# Altium PCB FluidGuard(TX).PcbDoc (part 1 of 2) (continued)
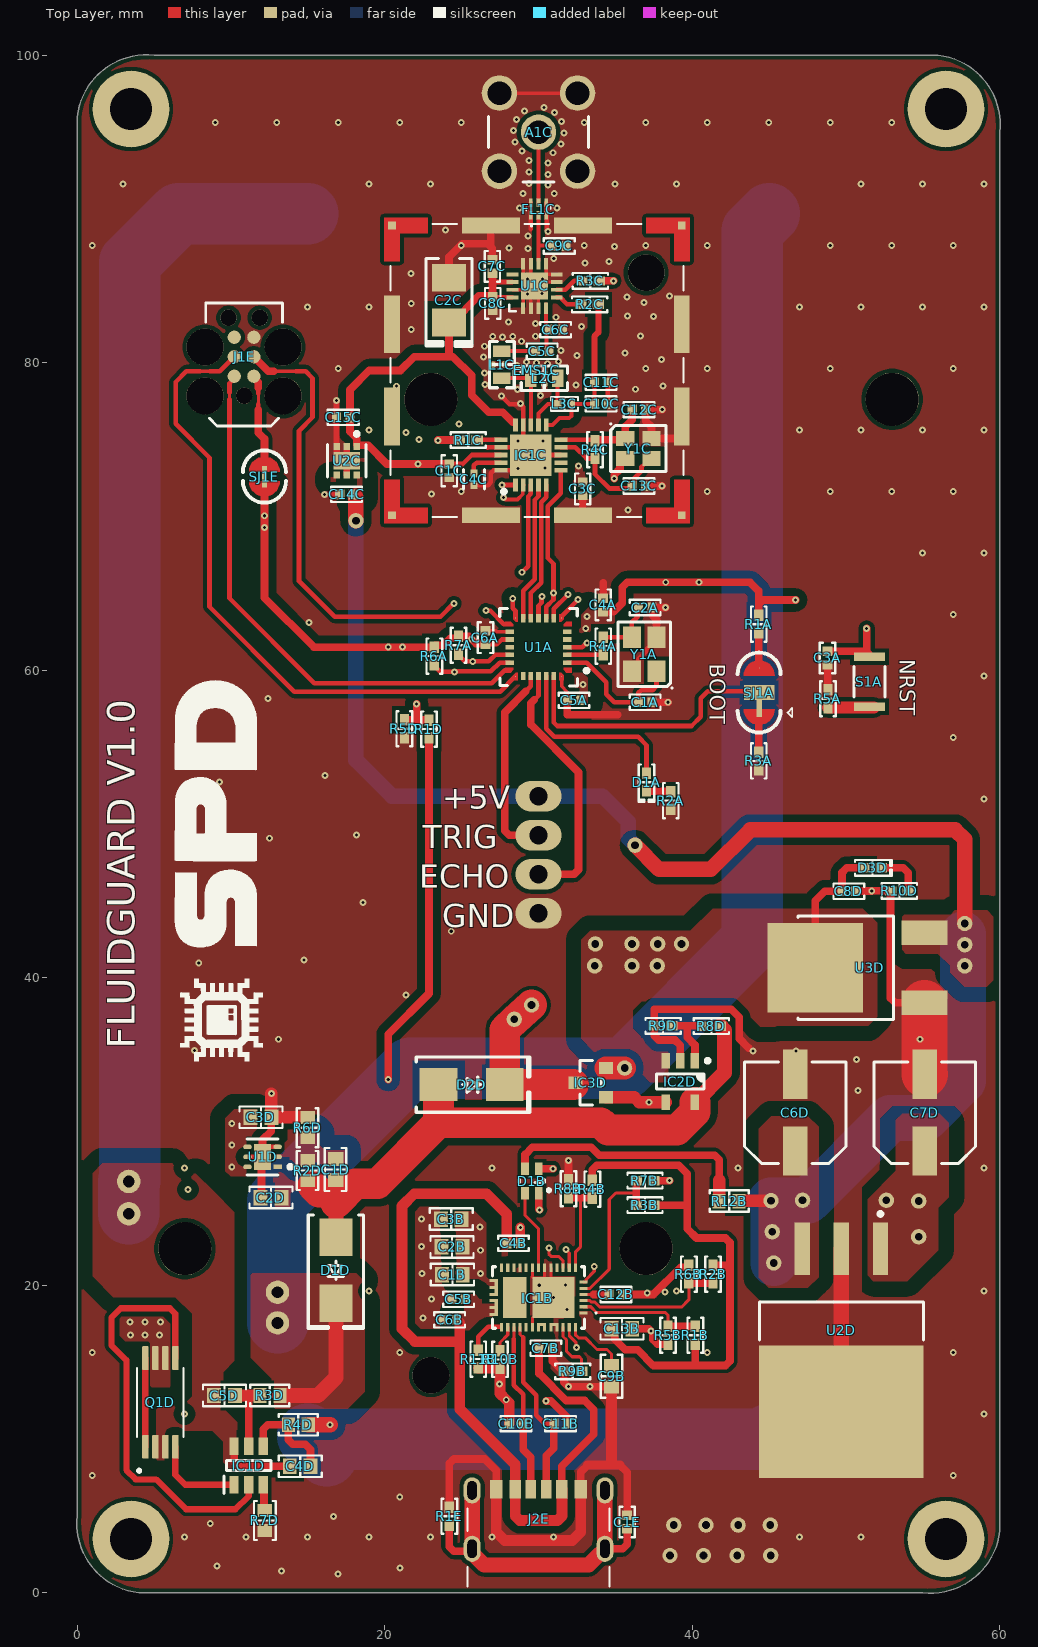
[diagram p0: Top Layer view]
## Components (designator, comment, footprint, x,y, rotation, side; value= is the part's Value field where it differs from the comment)
A1C "0731000115" "MOLEX SD-73100-0115" 30,95 r90 top locked
BT1D "1042P" FP-1042P-MFG 45,50 r90 bottom locked
BT2D "1042P" FP-1042P-MFG 15,50 r270 bottom locked
C1A "19 pF" "CAP 0402_1005" 36.935,57.921 r180 top locked
C1B "22 µF" "CAP 0603_1608" 24.4,20.691 r0 top
C1C "1nF" "CAP 0402_1005" 24.196,72.975 r90 top locked value="1000 pF"
C1D "10 pF" "CAP 0603_1608" 16.8,27.525 r270 top
C1E "4700 pF" "CAP 0402_1005" 35.763,4.6 r90 top
C2A "19 pF" "CAP 0402_1005" 36.935,64.079 r180 top locked
C2B "22 µF" "CAP 0603_1608" 24.375,22.496 r0 top
C2C "100µF" "CAP POL 1411_3528" 24.175,84.075 r90 top locked
C2D "1 µF" "CAP 0603_1608" 12.6,25.7 r0 top
C3A "0.1 µF" "CAP 0402_1005" 48.8,60.797 r90 top
C3B "10 µF" "CAP 0603_1608" 24.325,24.3 r180 top
C3C "10nF" "CAP 0402_1005" 32.875,71.803 r90 top locked value="10000 pF"
C3D "2.2 µF" "CAP 0603_1608" 11.95,30.925 r180 top
C4A "0.1 µF" "CAP 0402_1005" 34.204,64.25 r270 top locked
C4B "10nF" "CAP 0402_1005" 28.375,22.725 r180 top value="10000 pF"
C4C "CL05B333KO5NNNC" FP-CL101-IPC_C 25.8,72.421 r270 top locked
C4D "0.1µF" "CAP 0603_1608" 14.5,8.225 r0 top
C5A "0.1 µF" "CAP 0402_1005" 32.31,58.046 r0 top
C5B "10nF" "CAP 0402_1005" 24.8,19.087 r0 top value="10000 pF"
C5C "1.5 pF" "CAP 0402_1005" 30.235,80.75 r0 top locked
C5D "0.1µF" "CAP 0603_1608" 9.575,12.825 r0 top
C6A "0.1 µF" "CAP 0402_1005" 26.551,62.125 r270 top
C6B "4.7 µF" "CAP 0402_1005" 24.225,17.75 r0 top
C6C "1 pF" "CAP 0402_1005" 31.115,82.154 r180 top locked
C6D "47µF" "CAP ALSMD 6.6MM H5.4MM" 46.7,31.225 r90 top locked
C7B "10nF" "CAP 0402_1005" 30.475,15.9 r180 top value="10000 pF"
C7C "220 pF" "CAP 0402_1005" 27,86.265 r270 top locked
C7D "47µF" "CAP ALSMD 6.6MM H5.4MM" 55.125,31.225 r90 top locked
C8C "1 µF" "CAP 0402_1005" 27.025,83.86 r270 top locked
C8D "22 µF" "CAP 0402_1005" 50.185,45.625 r180 top
C9B "10 µF" "CAP 0603_1608" 34.75,14.075 r90 top
C9C "0.3 pF" "CAP 0402_1005" 31.35,87.6 r180 top locked
C10B "330pF" "CAP 0402_1005" 28.54,11 r0 top
C10C "2.2nF" "CAP 0402_1005" 34.075,77.325 r180 top locked value="2200 pF"
C11B "330pF" "CAP 0402_1005" 31.44,11 r180 top
C11C "4.7nF" "CAP 0402_1005" 34.075,78.729 r180 top locked value="4700 pF"
C12B "4.7 µF" "CAP 0402_1005" 35.027,19.4 r180 top
C12C "22 pF" "CAP 0402_1005" 36.54,76.95 r180 top locked
C13B "10 µF" "CAP 0603_1608" 35.427,17.175 r180 top
C13C "22 pF" "CAP 0402_1005" 36.525,71.99 r180 top locked
C14C "1 µF" "CAP 0402_1005" 17.515,71.441 r0 top
C15C "1 µF" "CAP 0402_1005" 17.3,76.45 r0 top locked
D1A "Green" "LED 0402_1005 GREEN" 37.025,52.725 r270 top
D1B "Red, Green, Blue (RGB)" "Harvatek B38G3RGB-10D0003H2U1930" 29.575,26.775 r180 top
D1D "RS1AB-13-F" "DO214AA SMB" 16.825,20.975 r270 top
D2D "ES2A-13-F" "DO214AA SMB" 25.647,33.05 r0 top
D3D "Yellow" "LED 0402_1005 YELLOW" 51.725,47.15 r0 top
EMS1C "SMS-255F" LEADERTECH_SMS-255F 29.9,79.5 r0 top locked
FL1C "2450LP14A100T" 2450LP14A100T 30,90 r90 top locked
IC1B "TPS25730DREFR" TPS25730DREFR 30,19.2 r180 top locked
IC1C "NRF24L01P-R7" QFN50P400X400X95-21N-D 29.5,74 r90 top locked
IC1D "HY2120-CB" SOT95P280X140-6N 11.15,8.275 r90 top
IC2D "LM321MFX/NOPB" "TI SOT-23-5 DBV" 39.225,33.25 r270 top
IC3D "FDN304PZ" "ON SEMI SOT-23-3" 33.4,33.175 r180 top
J1A "0022272041" "MOLEX KK 0022272041" 30,48 r270 bottom locked
J1E "TC2030" TC2030-FP 10.85,80.39 r90 top
J2E "2171750001" MOLEX_2171750001 30,4.8 r0 top locked
L1C "3.9nH" "IND 0603_1608 RF WW" 27.621,79.875 r90 top locked
L2C "8.2nH" "IND 0603_1608 RF WW" 30.375,79 r0 top locked
L3C "2.7 nH" "IND 0402_1005 RF WW" 31.69,77.321 r0 top locked
Q1D "FS8205A" SOP65P640X120-8N 5.4,12.375 r90 top
R1A "10 kOhms" "RES 0402_1005" 44.325,63 r90 top
R1B "191 kOhms" "RES 0402_1005" 40.2,16.75 r270 top
R1C "22 kOhms" "RES 0402_1005" 25.425,74.975 r0 top locked
R1D "10 kOhms" "RES 0402_1005" 22.875,56.175 r90 top
R1E "1 MOhms" "RES 0402_1005" 24.2,4.975 r90 top
R2A "1 kOhms" "RES 0402_1005" 38.6,51.525 r90 top
R2B "162 kOhms" "RES 0402_1005" 41.35,20.725 r90 top
R2C "10 kOhms" "RES 0402_1005" 33.325,83.8 r0 top locked
R2D "1.62 MOhms" "RES 0603_1608" 14.983,27.458 r270 top
R3A "10 kOhms" "RES 0402_1005" 44.325,54.1 r90 top
R3B "191 kOhms" "RES 0402_1005" 36.925,25.207 r0 top
R3C "10 kOhms" "RES 0402_1005" 33.375,85.325 r0 top locked
R3D "330 Ohms" "RES 0603_1608" 12.525,12.831 r180 top
R4A "0 Ohms" "RES 0402_1005" 34.212,61.575 r270 top
R4B "191 kOhms" "RES 0402_1005" 33.5,26.25 r90 top
R4C "1 MOhms" "RES 0402_1005" 33.675,74.35 r270 top locked
R4D "330 Ohms" "RES 0603_1608" 14.375,10.925 r180 top
R5A "1 kOhms" "RES 0402_1005" 48.825,58.15 r270 top
R5B "9.53 kOhms" "RES 0402_1005" 38.425,16.75 r90 top
R5D "10 kOhms" "RES 0402_1005" 21.275,56.2 r270 top
R6A "4.7 kOhms" "RES 0402_1005" 23.225,60.925 r90 top
R6B "38.3 kOhms" "RES 0402_1005" 39.775,20.725 r270 top
R6D "160 kOhms" "RES 0603_1608" 14.983,30.25 r270 top
R7A "4.7 kOhms" "RES 0402_1005" 24.8,61.625 r90 top
R7B "9.53 kOhms" "RES 0402_1005" 36.925,26.8 r180 top
R7D "2 kOhms" "RES 0603_1608" 12.2,4.7 r90 top
R8B "9.53 kOhms" "RES 0402_1005" 31.95,26.275 r270 top
R8D "10 kOhms" "RES 0402_1005" 41.25,36.85 r0 top
R9B "10 kOhms" "RES 0402_1005" 32.225,14.4 r180 top
R9D "10 kOhms" "RES 0402_1005" 38.1,36.875 r0 top
R10B "10 kOhms" "RES 0402_1005" 27.5,15.175 r270 top
R10D "1 kOhms" "RES 0402_1005" 53.475,45.65 r0 top
R11B "10 kOhms" "RES 0402_1005" 26.08,15.2 r270 top
R12B "1 kOhms" "RES 0603_1608" 42.4,25.475 r180 top
S1A "EVP-AWED4A" "PANASONIC EVPAW" 51.525,59.25 r270 top
SJ1A "3PIN" "Rounded Jumper Joint 3-pin" 44.35,58.55 r90 top
SJ1E "2PIN" "Rounded Jumper Joint" 12.175,72.6 r270 top
U1A "STM32L031G6U7" FP-UFQFPN28-A0B0-MFG 30,61.5 r180 top locked
U1C "RFX2401C" RFX2401C_SKY 29.75,85 r90 top locked
U1D "TLV76701DRVR" FP-DRV0006A-IPC_C 12.05,28.35 r180 top
U2C "NCV8705MT33TCG" FP-511BR-MFG 17.525,73.621 r270 top
U2D "UA7805CKTTR" FP-KTT0003A-MFG 49.7,14.075 r180 top locked
U3D "NCP1117DT33T5G" FP-369C-MFG 50.8,40.65 r90 top
Y1A "24 MHz" "EPSON TSX-3225" 36.875,61.05 r90 top locked
Y1C "16 MHz" "NDK NX2520SA" 36.5,74.421 r0 top locked

## Footprints (in the part's own frame and the unit in brackets; to place one, negate y for a bottom-side part, rotate by r counter-clockwise, add the part's x,y. Pads: shape width x height; smd on the part's side, far side on the other; paste and mask are expansions set on the pad)
2450LP14A100T [mm]
  rect 0.55x0.25 smd: 1(-0.4,0.5) 2(-0.4,0) 3(-0.4,-0.5) 4(0.4,-0.5) 5(0.4,0) 6(0.4,0.5)
  silkscreen extent -1.15,-0.8 0.2,0.8, body extent -0.65,-0.8 0.65,0.8, height 0.8
"CAP 0402_1005" [mm] "Chip Capacitor, 2-Leads, Body 1.02x0.51mm, IPC Medium Density"
  rect 0.6x0.64 smd: 1(-0.44,0) 2(0.44,0)
  silkscreen extent -1,-0.5 1,0.5, body extent -0.5,-0.26 0.5,0.26, height 0.52
"CAP 0603_1608" [mm] "Chip Capacitor, 2-Leads, Body 1.60x0.80mm, IPC Medium Density"
  rect 0.9x1 smd: 1(-0.675,0) 2(0.675,0)
  silkscreen extent -1.4,-0.7 1.4,0.7, body extent -0.8,-0.41 0.8,0.41, height 0.82
"CAP ALSMD 6.6MM H5.4MM" [mm] "Aluminum Electrolytic Capacitor, Body 6.60x6.60x5.40mm, IPC Low Density"
  rect 3.2x1.6 smd: 1(-2.5,0) 2(2.5,0)
  silkscreen extent -3.3,-3.3 3.3,3.3, body extent -3.5,-3.3 3.5,3.3, height 5.4
"CAP POL 1411_3528" [mm] "Molded Capacitor, 2-Leads, Body 3.50x2.80mm, IPC Medium Density"
  rect 1.8x2.23 smd: 1(-1.46,0) 2(1.46,0)
  silkscreen extent -3,-1.5 2.71,1.48, body extent -1.87,-1.45 1.86,1.45, height 2
"DO214AA SMB" [mm] "Molded Diode, 2-Leads, Body 4.31x3.62mm, IPC Medium Density"
  rect 2.45x2.15 smd: 1(-2.15,0) 2(2.15,0)
  silkscreen extent -3.6,-1.8 3.8,1.8, body extent -2.6,-1.8 2.6,1.8, height 2.4
"EPSON TSX-3225" [mm] "Crystal, 4-Leads, Body 2.50x3.20mm, Pitch 2.20mm, IPC Medium Density"
  rect 1.4x1.15 smd: 1(-1.1,-0.8) 2(1.1,-0.8) 3(1.1,0.8) 4(-1.1,0.8)
  silkscreen extent -2.25,-1.85 2.1,1.7, body extent -1.61,-1.26 1.61,1.26, height 0.6
FP-369C-MFG [mm]
  rect 1.6x3 smd paste+0 mask+0: 1(-2.285,-4.3) 3(2.285,-4.3)
  rect 5.8x6.2 smd paste+0 mask+0: 4(0,2.79)
  silkscreen extent -3.36,-2.28 3.36,3.94, body extent -3.46,-5.9 3.46,5.99, height 0.25
FP-511BR-MFG [mm]
  rect 0.45x0.4 smd paste+0 mask+0: 1(-0.925,0.65) 2(-0.925,0) 3(-0.925,-0.65) 4(0.925,-0.65) 5(0.925,0) 6(0.925,0.65)
  rect 1.12x1.72 smd paste+0 mask+0: 7(0,0)
  silkscreen extent -1.87,-1.25 1.05,1.25, body extent -1.25,-1.15 1.25,1.15, height 0.25
FP-1042P-MFG [mil]
  rect 294x255 smd paste+0 mask+0: 1(-1562.5,0) 2(1562.5,0)
  round 135.83 hole 135.83 unplated paste-99999 mask+0: ""(-1087.5,-315) ""(1087.5,315)
  round 94 hole 94 unplated paste-99999 mask+0: ""(1411.5,-315)
  silkscreen extent -1522,-412 1745,412, body extent -1693,-407 1693,406, height 595
FP-CL101-IPC_C [mm]
  rect 0.515x0.472 smd paste+0 mask+0: 1(-0.379,0) 2(0.379,0)
  silkscreen extent -0.64,-0.67 0.64,0.67, body extent -0.74,-0.38 0.74,0.38, height 0.25
FP-DRV0006A-IPC_C [mm]
  rect 0.556x0.292 smd paste+0 mask+0: 1(-0.978,0.65)
  rrect100% 0.556x0.292 smd paste+0 mask+0: 2(-0.978,0) 3(-0.978,-0.65) 4(0.978,-0.65) 5(0.978,0) 6(0.978,0.65)
  rect 1.1x1.7 smd paste-1000 mask+0: 7(0,0)
  silkscreen extent -1.93,-1.17 1,1.17, body extent -1.36,-1.1 1.36,1.1, height 0.25
FP-KTT0003A-MFG [mm]
  rect 1x3.4 smd paste-1000 mask+0: 1(-2.54,-8.303) 2(0,-8.303) 3(2.54,-8.303)
  rect 10.7x8.6 smd paste-1000 mask+0: 4(0,2.298)
  silkscreen extent -5.34,-10.69 5.34,-2.38, body extent -5.45,-10.1 5.45,6.7, height 0.25
FP-UFQFPN28-A0B0-MFG [mm]
  round 0.025 smd mask+0: 1(-1.9,1.5) 7(-1.9,-1.5) 8(-1.5,-1.9) 14(1.5,-1.9) 15(1.9,-1.5) 21(1.9,1.5) 22(1.5,1.9) 28(-1.5,1.9)
  rect 0.55x0.3 smd paste+0 mask+0: 2(-1.875,1) 3(-1.875,0.5) 4(-1.875,0) 5(-1.875,-0.5) 6(-1.875,-1) 16(1.875,-1) 17(1.875,-0.5) 18(1.875,0) 19(1.875,0.5) 20(1.875,1)
  rect 0.3x0.55 smd paste+0 mask+0: 9(-1,-1.875) 10(-0.5,-1.875) 11(0,-1.875) 12(0.5,-1.875) 13(1,-1.875) 23(1,1.875) 24(0.5,1.875) 25(0,1.875) 26(-0.5,1.875) 27(-1,1.875)
  Top Layer region: -1.35,-1.65 -1.48,-1.65 -1.65,-1.82 -1.65,-2.15 -1.35,-2.15 -1.35,-1.65
  Top Layer region: -1.65,-1.35 -1.65,-1.48 -1.82,-1.65 -2.15,-1.65 -2.15,-1.35 -1.65,-1.35
  Top Layer region: -1.65,1.35 -1.65,1.48 -1.82,1.65 -2.15,1.65 -2.15,1.35 -1.65,1.35
  Top Layer region: -1.35,1.65 -1.48,1.65 -1.65,1.82 -1.65,2.15 -1.35,2.15 -1.35,1.65
  Top Layer region: 1.35,1.65 1.48,1.65 1.65,1.82 1.65,2.15 1.35,2.15 1.35,1.65
  Top Layer region: 1.65,1.35 1.65,1.48 1.82,1.65 2.15,1.65 2.15,1.35 1.65,1.35
  Top Layer region: 1.65,-1.35 1.65,-1.48 1.82,-1.65 2.15,-1.65 2.15,-1.35 1.65,-1.35
  Top Layer region: 1.35,-1.65 1.48,-1.65 1.65,-1.82 1.65,-2.15 1.35,-2.15 1.35,-1.65
  silkscreen extent -3.25,-2.52 2.52,2.52, body extent -2,-2 2,2, height 0.6
"Harvatek B38G3RGB-10D0003H2U1930" [mm] "LED RGB COMMON ANODE"
  rect 0.5x0.8 smd paste-2539.97: 1(-0.45,0.8) 2(0.45,0.8) 3(0.45,-0.8) 4(-0.45,-0.8)
  silkscreen extent -1.2,-0.1 0.8,0.7, body extent -0.8,-0.8 0.8,0.8, height 0.4
"IND 0402_1005 RF WW" [mm] "Chip Inductor, 2-Leads, Body 1.00x0.50mm, IPC High Density"
  rect 0.48x0.54 smd: 1(-0.44,0) 2(0.44,0)
  silkscreen extent -0.87,-0.45 0.87,0.45, body extent -0.5,-0.29 0.5,0.29, height 0.51
"IND 0603_1608 RF WW" [mm] "Chip Inductor, 2-Leads, Body 1.65x0.99mm, IPC Medium Density"
  rect 0.76x1.13 smd: 1(-0.875,0) 2(0.875,0)
  silkscreen extent -1.5,-0.8 1.5,0.8, body extent -0.84,-0.58 0.83,0.58, height 1
LEADERTECH_SMS-255F [mm]
  rect 0.5x0.5 smd paste-1 mask+0: SH(-9.425,-9.425) SH(-9.425,9.425) SH(9.425,-9.425) SH(9.425,9.425)
  rect 1.02x3.76 smd: SH(-9.425,-3) SH(-9.425,3) SH(9.425,-3) SH(9.425,3)
  rect 3.76x1.02 smd: SH(-3,-9.425) SH(-3,9.425) SH(3,-9.425) SH(3,9.425)
  Top Layer region: -8.915,-8.915 -7.115,-8.915 -7.115,-9.935 -9.935,-9.935 -9.935,-7.115 -8.915,-7.115
  Top Layer region: 9.935,-9.935 7.115,-9.935 7.115,-8.915 8.915,-8.915 8.915,-7.115 9.935,-7.115
  Top Layer region: 9.935,7.115 8.915,7.115 8.915,8.915 7.115,8.915 7.115,9.935 9.935,9.935
  Top Layer region: -7.115,8.915 -8.915,8.915 -8.915,7.115 -9.935,7.115 -9.935,9.935 -7.115,9.935
  silkscreen extent -9.52,-9.53 9.53,9.53, body extent -9.83,-9.83 9.83,9.83, height 5.08
"LED 0402_1005 GREEN" [mm] "Chip Diode, 2-Leads, Body 1.00x0.50mm, IPC Medium Density"
  rect 0.75x0.6 smd: 1(-0.575,0) 2(0.575,0)
  silkscreen extent -1.14,-0.51 1.27,0.51, body extent -0.5,-0.25 0.5,0.25, height 0.21
"LED 0402_1005 YELLOW" [mm] "Chip Diode, 2-Leads, Body 1.00x0.50mm, IPC Medium Density"
  rect 0.75x0.6 smd: 1(-0.575,0) 2(0.575,0)
  silkscreen extent -1.14,-0.51 1.27,0.51, body extent -0.5,-0.25 0.5,0.25, height 0.21
"MOLEX KK 0022272041" [mm]
  oval 2x3 hole 1.2: 1(-3.81,0) 2(-1.27,0) 3(1.27,0) 4(3.81,0)
  silkscreen extent -5.08,-2.79 5.08,2.79, body extent -5.08,-2.9 5.08,2.9, height 11.7
"MOLEX SD-73100-0115" [mm]
  round 2.302 hole 1.54: G(-2.54,-2.54) G(2.54,-2.54)
  round 2.304 hole 1.54: G(-2.54,2.54) G(2.54,2.54) S(0,0)
  silkscreen extent -3.25,-3.25 1,3.25, body extent -3.12,-3.17 11.68,3.17, height 9.67
MOLEX_2171750001 [mm]
  rect 0.7x1.2 smd mask+0.064: A5(-0.5,1.94) B5(0.5,1.94)
  rect 0.76x1.2 smd mask+0.064: A9(1.52,1.94) B9(-1.52,1.94)
  rect 0.8x1.2 smd mask+0.064: A12(2.75,1.94) B12(-2.75,1.94)
  oval 1.1x1.7 hole 0.6 slot 1.2 at 90 deg mask+0.064: SH1(-4.32,-1.94) SH2(4.32,-1.94) SH3(-4.32,1.86) SH4(4.32,1.86)
  silkscreen extent -4.62,-4.39 4.62,0.66, body extent -4.47,-4.59 4.47,2.31, height 3.17
"NDK NX2520SA" [mm] "Crystal, 4-Leads, Body 2.00x2.50mm, Pitch 1.70mm, IPC Medium Density"
  rect 1.2x1 smd: 1(-0.85,0.65) 2(-0.85,-0.65) 3(0.85,-0.65) 4(0.85,0.65)
  silkscreen extent -1.85,-1.5 1.8,1.65, body extent -1.26,-1.01 1.26,1.01, height 0.5
"ON SEMI SOT-23-3" [mm] "SOT23, 3-Leads, Body 2.90x2.40mm, Pitch 0.95mm, IPC Medium Density"
  rect 0.9x0.8 smd: 1(-1,0.95) 2(-1,-0.95) 3(1,0)
  silkscreen extent -0.7,-1.45 0.7,1.45, body extent -1.16,-1.45 1.16,1.45, height 1
"PANASONIC EVPAW" [mm]
  rect 0.55x2 smd: 1(-1.625,0) 2(1.625,0)
  silkscreen extent -1,-1 1,1, body extent -1.75,-1 1.75,1, height 0.58
QFN50P400X400X95-21N-D [mm]
  rect 0.85x0.3 smd: 1(-1.95,1) 2(-1.95,0.5) 3(-1.95,0) 4(-1.95,-0.5) 5(-1.95,-1) 11(1.95,-1) 12(1.95,-0.5) 13(1.95,0) 14(1.95,0.5) 15(1.95,1)
  rect 0.3x0.85 smd: 6(-1,-1.95) 7(-0.5,-1.95) 8(0,-1.95) 9(0.5,-1.95) 10(1,-1.95) 16(1,1.95) 17(0.5,1.95) 18(0,1.95) 19(-0.5,1.95) 20(-1,1.95)
  rect 2.7x2.7 smd: 21(0,0)
  silkscreen extent -2.5,1.62 -2.25,1.87, body extent -2.05,-2.05 2.05,2.05, height 0.95
"RES 0402_1005" [mm] "Chip Resistor, 2-Leads, Body 1.0x0.5mm, IPC Medium Density"
  rect 0.75x0.6 smd: 1(-0.575,0) 2(0.575,0)
  silkscreen extent -1.14,-0.51 1.14,0.51, body extent -0.5,-0.25 0.5,0.25, height 0.35
"RES 0603_1608" [mm] "Chip Resistor, 2-Leads, Body 1.60x0.80mm, IPC Medium Density"
  rect 0.85x0.95 smd: 1(-0.65,0) 2(0.65,0)
  silkscreen extent -1.27,-0.7 1.27,0.7, body extent -0.8,-0.4 0.8,0.4, height 0.45
RFX2401C_SKY [mm]
  rect 0.757x0.255 smd paste+0 mask+0: 1(-1.445,0.75) 2(-1.445,0.25) 3(-1.445,-0.25) 4(-1.445,-0.75) 9(1.445,-0.75) 10(1.445,-0.25) 11(1.445,0.25) 12(1.445,0.75)
  rect 0.255x0.757 smd paste+0 mask+0: 5(-0.75,-1.445) 6(-0.25,-1.445) 7(0.25,-1.445) 8(0.75,-1.445) 13(0.75,1.445) 14(0.25,1.445) 15(-0.25,1.445) 16(-0.75,1.445)
  rect 1.753x1.753 smd paste+0 mask+0: 17(0,0)
  silkscreen extent -1.65,1.21 -1.21,1.65, body extent -1.52,-1.52 1.52,1.52, height 0.61
"Rounded Jumper Joint" [mm]
  round 0.025 smd: 1(-0.8,0) 2(0.8,0)
  rect 1.4x0.35 smd: J(0,0)
  Top Layer region: -0.3,-1 -0.734,-0.901 -1.082,-0.623 -1.275,-0.223 -1.275,0.223 -1.082,0.623 -0.734,0.901 -0.3,1 -0.3,1
  Top Layer region: 0.3,-1 0.734,-0.901 1.082,-0.623 1.275,-0.223 1.275,0.223 1.082,0.623 0.734,0.901 0.3,1 0.3,1
  silkscreen extent -1.7,-1.4 1.7,1.4
"Rounded Jumper Joint 3-pin" [mm]
  round 0.025 smd: 1(-1.6,0) 2(1.6,0)
  rect 1x2 smd: 3(0,0)
  rect 1.4x0.35 smd: J(-0.875,0)
  Top Layer region: 1.1,-1 1.534,-0.901 1.882,-0.623 2.075,-0.223 2.075,0.223 1.882,0.623 1.534,0.901 1.1,1 1.1,1
  Top Layer region: -1.1,-1 -1.534,-0.901 -1.882,-0.623 -2.075,-0.223 -2.075,0.223 -1.882,0.623 -1.534,0.901 -1.1,1 -1.1,1
  silkscreen extent -2.6,-2.15 2.6,1.4
SOP65P640X120-8N [mm]
  rrect25% 1.56x0.4 smd: 1(-2.88,0.975) 2(-2.88,0.325) 3(-2.88,-0.325) 4(-2.88,-0.975) 5(2.88,-0.975) 6(2.88,-0.325) 7(2.88,0.325) 8(2.88,0.975)
  silkscreen extent -4.54,-1.52 2.25,1.52, body extent -3.23,-1.47 3.17,1.47, height 1.2
SOT95P280X140-6N [mm]
  rect 1.15x0.6 smd: 1(-1.25,0.95) 2(-1.25,0) 3(-1.25,-0.95) 4(1.25,-0.95) 5(1.25,0) 6(1.25,0.95)
  silkscreen extent -1.83,-1.45 0.33,1.6, body extent -1.4,-1.45 1.4,1.45, height 1.4
TC2030-FP [mm]
  round 0.863 smd paste-0.432: 1(-1.27,-0.635) 2(-1.27,0.635) 3(0,-0.635) 4(0,0.635) 5(1.27,-0.635) 6(1.27,0.635)
  round 2.4 hole 2.4 unplated: MH(-2.54,-2.54) MH(-2.54,2.54) MH(0.635,2.54) MH(0.635,-2.54)
  round 1.067 hole 1.067 unplated: MH(-2.54,0) MH(2.54,-1.016) MH(2.54,1.016)
  silkscreen extent -4.5,-2.5 3.5,2.5
"TI SOT-23-5 DBV" [mm] "SOT23, 5-Leads, Body 2.90x2.80mm, Pitch 0.95mm, IPC Medium Density"
  rect 1x0.55 smd: 1(-1.35,0.95) 2(-1.35,0) 3(-1.35,-0.95) 4(1.35,-0.95) 5(1.35,0.95)
  silkscreen extent -1.47,-1.55 0.5,1.9, body extent -1.44,-1.43 1.39,1.48, height 1.5
TPS25730DREFR [mm]
  rect 0.55x0.2 smd: 1(-2.925,1) 2(-2.925,0.6) 3(-2.925,0.2) 4(-2.925,-0.2) 5(-2.925,-0.6) 6(-2.925,-1)
  rect 0.2x0.55 smd: 7(-2.4,-1.925) 8(-2,-1.925) 9(-1.6,-1.925) 10(-1.2,-1.925) 11(-0.8,-1.925) 12(-0.4,-1.925) 13(0,-1.925) 14(0.4,-1.925) 15(0.8,-1.925) 16(1.2,-1.925) 17(1.6,-1.925) 18(2,-1.925) 19(2.4,-1.925) 26(2.4,1.925) 27(2,1.925) 28(1.6,1.925) 29(1.2,1.925) 30(0.8,1.925) 31(0.4,1.925) 36(-1.6,1.925) 37(-2,1.925) 38(-2.4,1.925)
  rect 0.35x0.2 smd: 20(3.025,-1.1) 21(3.025,-0.65) 22(3.025,-0.2) 23(3.025,0.2) 25(3.025,1.1)
  rect 0.35x0.2 smd mask+0.051: 24(3.025,0.65)
  rect 0.2x0.35 smd: 32(-0.001,2.025) 33(-0.401,2.025) 34(-0.801,2.025) 35(-1.201,2.025)
  rect 2.72x2.65 smd: 39(-0.965,0)
  rect 1.53x2.65 smd: 40(1.56,0)
  rect 0.2x1.1 smd: 41(2.749,-0.65) 42(2.75,0.65)
  rect 0.6x0.2 smd: 43(-0.201,1.75) 44(-1.001,1.75)
  silkscreen extent -3.8,-2 3,2, body extent -3,-2 3,2, height 0.8

## Part data
A1C: "CONN SMA RCPT R/A 50 OHM PCB", Frequency - Max="18 GHz", Housing Color=Silver, Manufacturer=Molex, Supplier Part Number 1=WM8552-ND, ComponentLink1Description=Datasheet, ComponentLink1URL=https://www.molex.com/pdm_docs/sd/731000115_sd.pdf, ComponentLink2Description="DigiKey Link", ComponentLink2URL=https://www.digikey.com/en/products/detail/molex/0731000115/3044674, Connector Style=SMA, Connector Type="Receptacle, Female Socket", Contact Termination=Solder, Fastening Type=Threaded, id=4, Impedance=50Ohm, LastUpdated=2022-06-29T18:03:04.613, Lifecycle Status=Active, Minimum Order=1, Mounting Type="Through Hole, Right Angle", Number Of Ports=1, Packaging=Tray, Part Number=0731000115, Part Status=Active, Price=2.95, Series=73100, Shield Termination=Solder, Supplier 1=DigiKey
BT1D BT2D: library part CMP-19636-000019-1, "BATTERY HOLDER 18650 SMD TAB", Max Operating Temperature=145°C, Min Operating Temperature=-50°C, Package Quantity=200, Lead Free="Lead Free", Mount="Surface Mount", Number of Cells=1, Packaging=Tray, Termination=SMD/SMT
C1A C2A: library part GJM1555C1H190GB01D, "CAP CER 19PF 50VDC 0402 C0G 2%", Device Package="0402 (1005 Metric)", Manufacturer="Murata Electronics", Operating Temperature="-55°C ~ 125°C", Supplier Part Number 1=490-GJM1555C1H190GB01DCT-ND, Temperature Coefficient="C0G, NP0", Tolerance=±2%, Voltage - Rated=50V, Applications="RF, Microwave, High Frequency", Capacitance="19 pF", ComponentLink1Description=Datasheet, ComponentLink1URL=https://search.murata.co.jp/Ceramy/image/img/A01X/G101/ENG/GJM1555C1H190GB01-01A.pdf, ComponentLink2Description="DigiKey Link", ComponentLink2URL=https://www.digikey.com/en/products/detail/murata-electronics/GJM1555C1H190GB01D/16033843, Features="High Q, Low Loss", id=5279, LastUpdated=2023-01-03T20:03:22.137, Lifecycle Status=Active, Minimum Order=1, Mounting Type="Surface Mount, MLCC", Package / Case="0402 (1005 Metric)", Packaging=TapeAndReel, Part Number=GJM1555C1H190GB01D, Part Status=Active, PartId=41775, Price=0.02, Series=GJM, Size / Dimension="0.039\" L x 0.020\" W (1.00mm x 0.50mm)", Supplier 1=DigiKey, Thickness (Max)="0.022\" (0.55mm)"
C1B C2B: library part CL10A226MO7JZNC, "CAP CER 22UF 16V X5R 0603", Device Package="0603 (1608 Metric)", Manufacturer="Samsung Electro-Mechanics", Operating Temperature="-55°C ~ 85°C", Supplier Part Number 1=1276-7076-1-ND, Temperature Coefficient=X5R, Tolerance=±20%, Voltage - Rated=16V, Applications="General Purpose", Capacitance="22 µF", ComponentLink1Description=Datasheet, ComponentLink1URL=http://www.samsungsem.com/kr/support/product-search/mlcc/CL10A226MO7JZNC.jsp, ComponentLink2Description="DigiKey Link", ComponentLink2URL=https://www.digikey.com/en/products/detail/samsung-electro-mechanics/CL10A226MO7JZNC/7320581, id=3280, LastUpdated=2023-01-03T20:07:09.957, Lifecycle Status=Active, Minimum Order=1, Mounting Type="Surface Mount, MLCC", Package / Case="0603 (1608 Metric)", Packaging=TapeAndReel, Part Number=CL10A226MO7JZNC, Part Status=Active, PartId=15245, Price=0.14, Series=CL, Size / Dimension="0.063\" L x 0.031\" W (1.60mm x 0.80mm)", Supplier 1=DigiKey, Thickness (Max)="0.031\" (0.80mm)"
C1C: library part C0402C102J3RECAUTO, "CAP CER 0402 1NF 25V X7R 5%", Capacitance="1000 pF", Device Package="0402 (1005 Metric)", Manufacturer=KEMET, Operating Temperature="-55°C ~ 125°C", Ratings=AEC-Q200, Supplier Part Number 1=399-C0402C102J3RECAUTOCT-ND, Temperature Coefficient=X7R, Tolerance=±5%, Voltage - Rated=25V, Applications="Automotive, ESD Protection", ComponentLink1Description=Datasheet, ComponentLink1URL=https://api.kemet.com/component-edge/download/datasheet/C0402C102J3RECAUTO.pdf, ComponentLink2Description="DigiKey Link", ComponentLink2URL=https://www.digikey.com/en/products/detail/kemet/C0402C102J3RECAUTO/8646431, id=4189, LastUpdated=2023-01-03T20:03:34.767, Lifecycle Status=Active, Minimum Order=1, Mounting Type="Surface Mount, MLCC", Package / Case="0402 (1005 Metric)", Packaging=TapeAndReel, Part Number=C0402C102J3RECAUTO, Part Status=Active, PartId=33620, Price=0.02, Series="ESD SMD Auto X7R", Size / Dimension="0.039\" L x 0.020\" W (1.00mm x 0.50mm)", Supplier 1=DigiKey, Thickness (Max)="0.022\" (0.55mm)"
C1D: library part 885012006017, "CAP CER 10PF 16V C0G/NP0 0603", Device Package="0603 (1608 Metric)", Manufacturer="Würth Elektronik", Operating Temperature="-55°C ~ 125°C", Supplier Part Number 1=732-7760-1-ND, Temperature Coefficient="C0G, NP0", Tolerance=±5%, Voltage - Rated=16V, Applications="General Purpose", Capacitance="10 pF", ComponentLink1Description=Datasheet, ComponentLink1URL=https://katalog.we-online.de/pbs/datasheet/885012006017.pdf, ComponentLink2Description="DigiKey Link", ComponentLink2URL=https://www.digikey.com/en/products/detail/würth-elektronik/885012006017/5453615, id=4142, LastUpdated=2023-01-03T20:07:00.397, Lifecycle Status=Active, Minimum Order=1, Mounting Type="Surface Mount, MLCC", Package / Case="0603 (1608 Metric)", Packaging=TapeAndReel, Part Number=885012006017, Part Status=Active, PartId=17575, Price=0.02, Series=WCAP-CSGP, Size / Dimension="0.063\" L x 0.031\" W (1.60mm x 0.80mm)", Supplier 1=DigiKey, Thickness (Max)="0.034\" (0.87mm)"
C1E: library part C0402C472K4RECAUTO, "CAP CER 0402 4.7NF 16V X7R 10%", Device Package="0402 (1005 Metric)", Manufacturer=KEMET, Operating Temperature="-55°C ~ 125°C", Ratings=AEC-Q200, Supplier Part Number 1=399-17875-1-ND, Temperature Coefficient=X7R, Tolerance=±10%, Voltage - Rated=16V, Applications="Automotive, ESD Protection", Capacitance="4700 pF", ComponentLink1Description=Datasheet, ComponentLink1URL=https://api.kemet.com/component-edge/download/datasheet/C0402C472K4RECAUTO.pdf, ComponentLink2Description="DigiKey Link", ComponentLink2URL=https://www.digikey.com/en/products/detail/kemet/C0402C472K4RECAUTO/8640469, id=3032, LastUpdated=2023-01-03T20:03:46.940, Lifecycle Status=Active, Minimum Order=1, Mounting Type="Surface Mount, MLCC", Package / Case="0402 (1005 Metric)", Packaging=TapeAndReel, Part Number=C0402C472K4RECAUTO, Part Status=Active, PartId=12122, Price=0.01, Series="ESD SMD Auto X7R", Size / Dimension="0.039\" L x 0.020\" W (1.00mm x 0.50mm)", Supplier 1=DigiKey, Thickness (Max)="0.022\" (0.55mm)"
C2C: library part TPSB107K006R0250, "CAP TANT 100UF 10% 6.3V 1411", Esr (Equivalent Series Resistance)=250mOhm, Manufacturer="AVX Corporation", Manufacturer Size Code=B, Operating Temperature="-55°C ~ 125°C", Package / Case="1411 (3528 Metric), 1210", Supplier Part Number 1=478-3080-1-ND, Tolerance=±10%, Voltage - Rated=6.3V, Capacitance=100µF, ComponentLink1Description=Datasheet, ComponentLink1URL=http://datasheets.avx.com/TPS.pdf, ComponentLink2Description="DigiKey Link", ComponentLink2URL=http://digikey.com/product-detail/en/avx-corporation/TPSB107K006R0250/478-3080-1-ND/809593, Features="General Purpose", Height - Seated (Max)="0.083\" (2.10mm)", id=70, LastUpdated=2020-09-02T01:15:45.860, Lifecycle Status=Active, Minimum Order=1, Mounting Type="Surface Mount", Packaging=TapeAndReel, Part Number=TPSB107K006R0250, Part Status=Active, PartId=70, Price=0.13, Series=TPS, Size / Dimension="0.138\" L x 0.110\" W (3.50mm x 2.80mm)", Supplier 1=DigiKey, Type=Molded
C2D: library part CC0603ZRY5V7BB105, "CAP CER 1UF 16V Y5V 0603", Device Package="0603 (1608 Metric)", Manufacturer=Yageo, Operating Temperature="-30°C ~ 85°C", Supplier Part Number 1=311-1372-1-ND, Temperature Coefficient="Y5V (F)", Tolerance="-20%, +80%", Voltage - Rated=16V, Applications="General Purpose", Capacitance="1 µF", ComponentLink1Description=Datasheet, ComponentLink1URL=http://www.yageo.com/documents/recent/UPY-GPHC_Y5V_6.3V-to-50V_8.pdf, ComponentLink2Description="DigiKey Link", ComponentLink2URL=https://www.digikey.com/en/products/detail/yageo/CC0603ZRY5V7BB105/2103110, id=744, LastUpdated=2023-01-03T20:07:40.173, Lifecycle Status=Active, Minimum Order=1, Mounting Type="Surface Mount, MLCC", Package / Case="0603 (1608 Metric)", Packaging=TapeAndReel, Part Number=CC0603ZRY5V7BB105, Part Status=Active, PartId=5227, Price=0.01, Series=CC, Size / Dimension="0.063\" L x 0.031\" W (1.60mm x 0.80mm)", Supplier 1=DigiKey, Thickness (Max)="0.035\" (0.90mm)"
C3A C4A C5A C6A: library part CL05B104KP5VPNC, "CAP CER 100NF 10V X7R 0402", Device Package="0402 (1005 Metric)", Manufacturer="Samsung Electro-Mechanics", Operating Temperature="-55°C ~ 125°C", Ratings=AEC-Q200, Supplier Part Number 1=1276-CL05B104KP5VPNCCT-ND, Temperature Coefficient=X7R, Tolerance=±10%, Voltage - Rated=10V, Applications=Automotive, Capacitance="0.1 µF", ComponentLink1Description=Datasheet, ComponentLink1URL=https://mm.digikey.com/Volume0/opasdata/d220001/medias/docus/5458/CL05B104KP5VPNC_Spec.pdf, ComponentLink2Description="DigiKey Link", ComponentLink2URL=https://www.digikey.com/en/products/detail/samsung-electro-mechanics/CL05B104KP5VPNC/20498482, id=7736, LastUpdated=2023-11-05T20:02:55.743, Lifecycle Status=Active, Minimum Order=1, Mounting Type="Surface Mount, MLCC", Package / Case="0402 (1005 Metric)", Packaging=TapeAndReel, Part Number=CL05B104KP5VPNC, PartId=56690, Price=0.01, Series=CL, Size / Dimension="0.039\" L x 0.020\" W (1.00mm x 0.50mm)", Supplier 1=DigiKey, Thickness (Max)="0.022\" (0.55mm)"
C3B C9B C13B: library part GRM188R61E106KA73D, "CAP CER 10UF 25V X5R 0603", Device Package="0603 (1608 Metric)", Manufacturer="Murata Electronics", Operating Temperature="-55°C ~ 85°C", Supplier Part Number 1=490-18214-1-ND, Temperature Coefficient=X5R, Tolerance=±10%, Voltage - Rated=25V, Applications="General Purpose", Capacitance="10 µF", ComponentLink1Description=Datasheet, ComponentLink1URL=https://search.murata.co.jp/Ceramy/image/img/A01X/G101/ENG/GRM188R61E106KA73-01.pdf, ComponentLink2Description="DigiKey Link", ComponentLink2URL=https://www.digikey.com/en/products/detail/murata-electronics/GRM188R61E106KA73D/9867922, id=2462, LastUpdated=2023-01-03T20:07:18.763, Lifecycle Status=Active, Minimum Order=1, Mounting Type="Surface Mount, MLCC", Package / Case="0603 (1608 Metric)", Packaging=TapeAndReel, Part Number=GRM188R61E106KA73D, Part Status=Active, PartId=12669, Price=0.04, Series=GRM, Size / Dimension="0.063\" L x 0.031\" W (1.60mm x 0.80mm)", Supplier 1=DigiKey, Thickness (Max)="0.039\" (1.00mm)"
C3C C4B C5B C7B: library part C0402C103J5RECAUTO, "CAP CER 0402 10NF 50V X7R 5%", Capacitance="10000 pF", Device Package="0402 (1005 Metric)", Manufacturer=KEMET, Operating Temperature="-55°C ~ 125°C", Ratings=AEC-Q200, Supplier Part Number 1=399-C0402C103J5RECAUTOCT-ND, Temperature Coefficient=X7R, Tolerance=±5%, Voltage - Rated=50V, Applications="Automotive, ESD Protection", ComponentLink1Description=Datasheet, ComponentLink1URL=https://api.kemet.com/component-edge/download/datasheet/C0402C103J5RECAUTO.pdf, ComponentLink2Description="DigiKey Link", ComponentLink2URL=https://www.digikey.com/en/products/detail/kemet/C0402C103J5RECAUTO/8646448, id=3927, LastUpdated=2023-01-03T20:03:32.240, Lifecycle Status=Active, Minimum Order=1, Mounting Type="Surface Mount, MLCC", Package / Case="0402 (1005 Metric)", Packaging=TapeAndReel, Part Number=C0402C103J5RECAUTO, Part Status=Active, PartId=33153, Price=0.02, Series="ESD SMD Auto X7R", Size / Dimension="0.039\" L x 0.020\" W (1.00mm x 0.50mm)", Supplier 1=DigiKey, Thickness (Max)="0.022\" (0.55mm)"
C3D: library part CC0603ZRY5V7BB225, "CAP CER 2.2UF 16V Y5V 0603", Device Package="0603 (1608 Metric)", Manufacturer=Yageo, Operating Temperature="-30°C ~ 85°C", Supplier Part Number 1=311-3416-1-ND, Temperature Coefficient="Y5V (F)", Tolerance="-20%, +80%", Voltage - Rated=16V, Applications="General Purpose", Capacitance="2.2 µF", ComponentLink1Description=Datasheet, ComponentLink1URL=http://www.yageo.com/documents/recent/UPY-GPHC_Y5V_6.3V-to-50V_8.pdf, ComponentLink2Description="DigiKey Link", ComponentLink2URL=https://www.digikey.com/en/products/detail/yageo/CC0603ZRY5V7BB225/5883851, id=21, LastUpdated=2023-01-03T20:07:48.310, Lifecycle Status=Active, Minimum Order=1, Mounting Type="Surface Mount, MLCC", Package / Case="0603 (1608 Metric)", Packaging=TapeAndReel, Part Number=CC0603ZRY5V7BB225, Part Status=Active, PartId=2203, Price=0.01, Series=CC, Size / Dimension="0.063\" L x 0.031\" W (1.60mm x 0.80mm)", Supplier 1=DigiKey, Thickness (Max)="0.035\" (0.90mm)"
C4C: library part CMP-13271-004220-1, "Cap Ceramic 33nF 16V X7R ±10% SMD 0402 +125°C Paper T/R", Capacitance=33nF, Case Code (Imperial)=0402, Case Code (Metric)=1005, Dielectric=X7R, Max Operating Temperature=125°C, Min Operating Temperature=-55°C, Tolerance=10%, Voltage=16V, Case/Package=0402, Depth=0.5mm, Height=0.5mm, Lead Free="Lead Free", Length=1mm, Mount="Surface Mount", Packaging="Tape and Reel", Radiation Hardening=No, Thickness=0.022inch, Voltage Rating=16V, Voltage Rating (DC)=16V, Width=0.02inch
C4D C5D: library part LD03YC104JAB2A, "CAP CER 0.1UF 16V X7R 0603", Device Package="0603 (1608 Metric)", Manufacturer="AVX Corporation", Operating Temperature="-55°C ~ 125°C", Supplier Part Number 1=478-4928-1-ND, Temperature Coefficient=X7R, Tolerance=±5%, Voltage - Rated=16V, Applications="General Purpose", Capacitance=0.1µF, ComponentLink1Description=Datasheet, ComponentLink1URL=http://datasheets.avx.com/LD-Series.pdf, ComponentLink2Description="DigiKey Link", ComponentLink2URL=http://digikey.com/product-detail/en/avx-corporation/LD03YC104JAB2A/478-4928-1-ND/1858874, id=1923, LastUpdated=2020-09-02T01:03:21.410, Lifecycle Status=Active, Minimum Order=1, Mounting Type="Surface Mount, MLCC", Package / Case="0603 (1608 Metric)", Packaging=TapeAndReel, Part Number=LD03YC104JAB2A, Part Status=Active, PartId=10388, Price=0.19, Series=LD, Size / Dimension="0.063\" L x 0.032\" W (1.60mm x 0.81mm)", Supplier 1=DigiKey, Thickness (Max)="0.035\" (0.90mm)"
C5C: library part GJM1555C1H1R5WB01D, "CAP CER 1.5PF 50V C0G/NP0 0402", Device Package="0402 (1005 Metric)", Manufacturer="Murata Electronics", Operating Temperature="-55°C ~ 125°C", Supplier Part Number 1=490-11199-1-ND, Temperature Coefficient="C0G, NP0", Tolerance=±0.05pF, Voltage - Rated=50V, Applications="RF, Microwave, High Frequency", Capacitance="1.5 pF", ComponentLink1Description=Datasheet, ComponentLink1URL=https://search.murata.co.jp/Ceramy/image/img/A01X/G101/ENG/GJM1555C1H1R5WB01-01.pdf, ComponentLink2Description="DigiKey Link", ComponentLink2URL=https://www.digikey.com/en/products/detail/murata-electronics/GJM1555C1H1R5WB01D/2592890, Features="High Q, Low Loss", id=1437, LastUpdated=2023-01-03T20:04:06.813, Lifecycle Status=Active, Minimum Order=1, Mounting Type="Surface Mount, MLCC", Package / Case="0402 (1005 Metric)", Packaging=TapeAndReel, Part Number=GJM1555C1H1R5WB01D, Part Status=Active, PartId=5918, Price=0.02, Series=GJM, Size / Dimension="0.039\" L x 0.020\" W (1.00mm x 0.50mm)", Supplier 1=DigiKey, Thickness (Max)="0.022\" (0.55mm)"
C6B C12B: library part GMC04X5R475K10NT, "CAP0402 X5R 4.7UF 10% 10V", Device Package="0402 (1005 Metric)", Manufacturer="Cal-Chip Electronics, Inc.", Operating Temperature="-55°C ~ 85°C", Supplier Part Number 1=4713-GMC04X5R475K10NTCT-ND, Temperature Coefficient=X5R, Tolerance=±10%, Voltage - Rated=10V, Applications="General Purpose", Capacitance="4.7 µF", ComponentLink1Description=Datasheet, ComponentLink1URL=https://88ce57.p3cdn1.secureserver.net/wp-content/uploads/2023/01/gmc_series-2.pdf, ComponentLink2Description="DigiKey Link", ComponentLink2URL=https://www.digikey.com/en/products/detail/cal-chip-electronics-inc/GMC04X5R475K10NT/18151135, id=6422, LastUpdated=2023-04-21T19:03:30.743, Lifecycle Status=Active, Minimum Order=1, Mounting Type="Surface Mount, MLCC", Package / Case="0402 (1005 Metric)", Packaging=TapeAndReel, Part Number=GMC04X5R475K10NT, Part Status=Active, PartId=49814, Price=0.01, Series=GMC, Size / Dimension="0.039\" L x 0.020\" W (1.00mm x 0.50mm)", Supplier 1=DigiKey, Thickness (Max)="0.028\" (0.70mm)"